# KiCad board rp2040-decoder.kicad_pcb (continued)
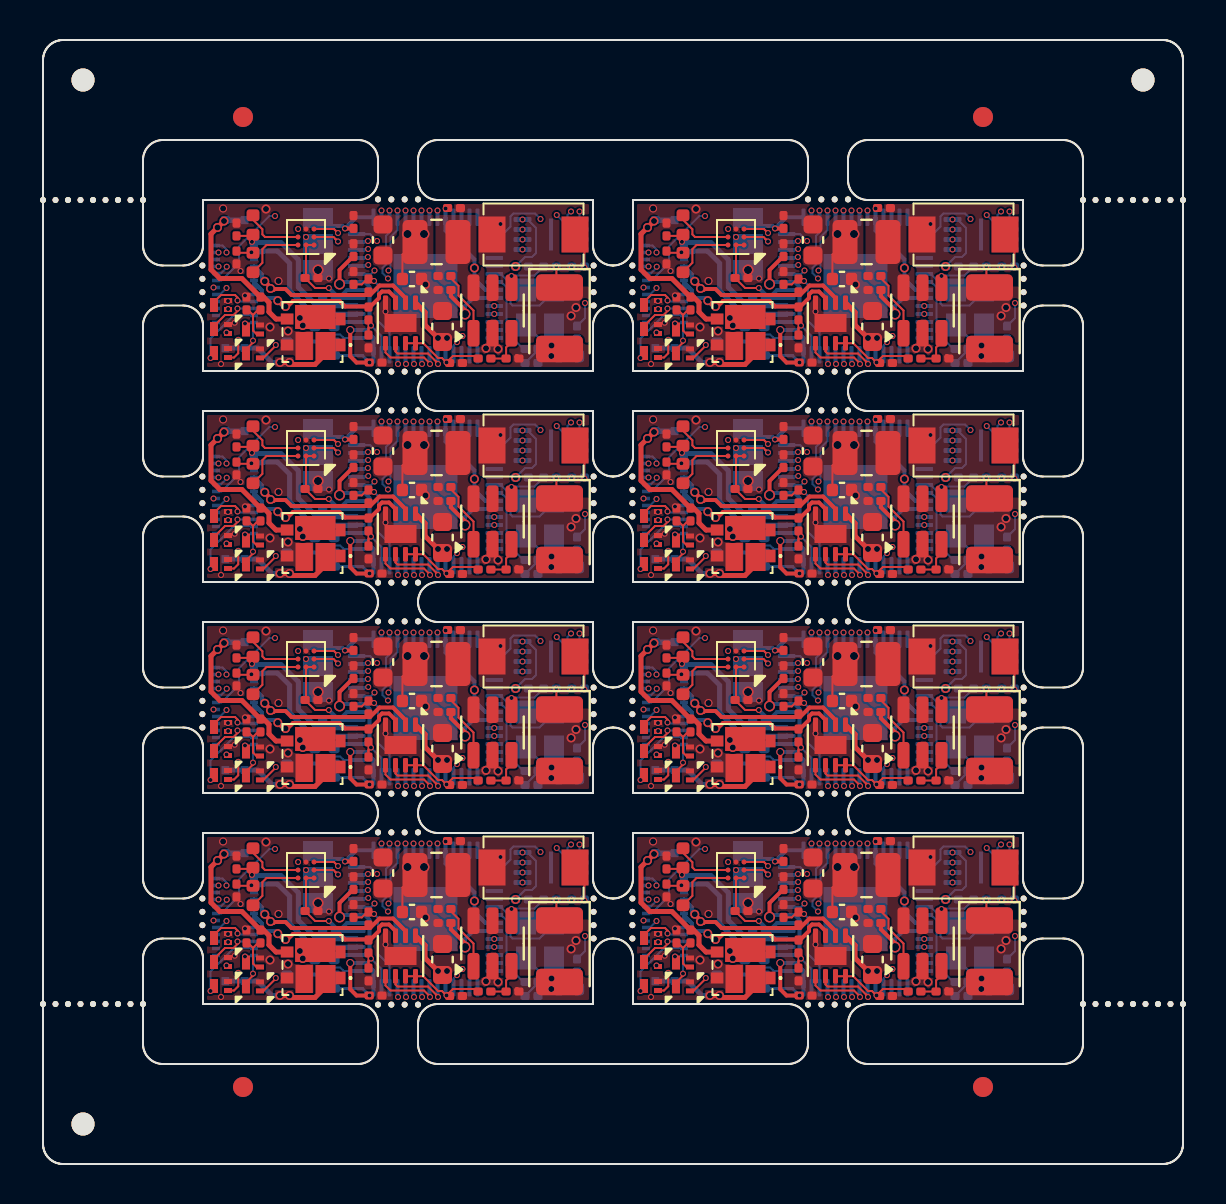
[diagram p0: board, top side]
## Placement (name value [footprint] x y rotation side) (continued)
R1#7  6.8k  [R_0201_0603Metric]  32.38 11.38 90 top
R1#8  6.8k  [R_0201_0603Metric]  10.88 32.48 90 top
R2  6.8k  [R_0201_0603Metric]  10.18 11.38 270 top
R2#2  6.8k  [R_0201_0603Metric]  10.18 32.48 270 top
R2#3  6.8k  [R_0201_0603Metric]  31.68 32.48 270 top
R2#4  6.8k  [R_0201_0603Metric]  31.68 11.38 270 top
R2#5  6.8k  [R_0201_0603Metric]  31.68 43.03 270 top
R2#6  6.8k  [R_0201_0603Metric]  10.18 21.93 270 top
R2#7  6.8k  [R_0201_0603Metric]  10.18 43.03 270 top
R2#8  6.8k  [R_0201_0603Metric]  31.68 21.93 270 top
R4  1k  [R_0201_0603Metric]  48.25 44.88 0 bottom
R4#2  1k  [R_0201_0603Metric]  48.25 34.33 0 bottom
R4#3  1k  [R_0201_0603Metric]  26.75 13.23 0 bottom
R4#4  1k  [R_0201_0603Metric]  26.75 23.78 0 bottom
R4#5  1k  [R_0201_0603Metric]  48.25 13.23 0 bottom
R4#6  1k  [R_0201_0603Metric]  48.25 23.78 0 bottom
R4#7  1k  [R_0201_0603Metric]  26.75 34.33 0 bottom
R4#8  1k  [R_0201_0603Metric]  26.75 44.88 0 bottom
R5  100k  [R_0201_0603Metric]  25.35 34.33 180 bottom
R5#2  100k  [R_0201_0603Metric]  46.85 13.23 180 bottom
R5#3  100k  [R_0201_0603Metric]  46.85 34.33 180 bottom
R5#4  100k  [R_0201_0603Metric]  46.85 44.88 180 bottom
R5#5  100k  [R_0201_0603Metric]  25.35 44.88 180 bottom
R5#6  100k  [R_0201_0603Metric]  25.35 13.23 180 bottom
R5#7  100k  [R_0201_0603Metric]  46.85 23.78 180 bottom
R5#8  100k  [R_0201_0603Metric]  25.35 23.78 180 bottom
R6  1k  [R_0201_0603Metric]  45.93 40.75 0 bottom
R6#2  1k  [R_0201_0603Metric]  24.43 30.2 0 bottom
R6#3  1k  [R_0201_0603Metric]  24.43 40.75 0 bottom
R6#4  1k  [R_0201_0603Metric]  45.93 30.2 0 bottom
R6#5  1k  [R_0201_0603Metric]  45.93 9.1 0 bottom
R6#6  1k  [R_0201_0603Metric]  24.43 9.1 0 bottom
R6#7  1k  [R_0201_0603Metric]  24.43 19.65 0 bottom
R6#8  1k  [R_0201_0603Metric]  45.93 19.65 0 bottom
R7  22k  [R_0201_0603Metric]  23.47 40.28 180 top
R7#2  22k  [R_0201_0603Metric]  44.97 19.18 180 top
R7#3  22k  [R_0201_0603Metric]  44.97 40.28 180 top
R7#4  22k  [R_0201_0603Metric]  23.47 8.62 180 top
R7#5  22k  [R_0201_0603Metric]  44.97 29.73 180 top
R7#6  22k  [R_0201_0603Metric]  23.47 19.18 180 top
R7#7  22k  [R_0201_0603Metric]  23.47 29.73 180 top
R7#8  22k  [R_0201_0603Metric]  44.97 8.62 180 top
R8  49.9k  [R_0201_0603Metric]  43.57 19.18 0 top
R8#2  49.9k  [R_0201_0603Metric]  22.07 40.28 0 top
R8#3  49.9k  [R_0201_0603Metric]  43.57 8.62 0 top
R8#4  49.9k  [R_0201_0603Metric]  43.57 29.73 0 top
R8#5  49.9k  [R_0201_0603Metric]  22.07 29.73 0 top
R8#6  49.9k  [R_0201_0603Metric]  43.57 40.28 0 top
R8#7  49.9k  [R_0201_0603Metric]  22.07 8.62 0 top
R8#8  49.9k  [R_0201_0603Metric]  22.07 19.18 0 top
R9  1k  [R_0201_0603Metric]  48.2 20.48 90 bottom
R9#2  1k  [R_0201_0603Metric]  48.2 41.58 90 bottom
R9#3  1k  [R_0201_0603Metric]  48.2 31.03 90 bottom
R9#4  1k  [R_0201_0603Metric]  26.7 41.58 90 bottom
R9#5  1k  [R_0201_0603Metric]  48.2 9.92 90 bottom
R9#6  1k  [R_0201_0603Metric]  26.7 20.48 90 bottom
R9#7  1k  [R_0201_0603Metric]  26.7 31.03 90 bottom
R9#8  1k  [R_0201_0603Metric]  26.7 9.92 90 bottom
R10  200R  [R_0201_0603Metric]  14.3 20.03 180 bottom
R10#2  200R  [R_0201_0603Metric]  35.8 30.58 180 bottom
R10#3  200R  [R_0201_0603Metric]  14.3 9.48 180 bottom
R10#4  200R  [R_0201_0603Metric]  35.8 41.12 180 bottom
R10#5  200R  [R_0201_0603Metric]  14.3 41.12 180 bottom
R10#6  200R  [R_0201_0603Metric]  35.8 9.48 180 bottom
R10#7  200R  [R_0201_0603Metric]  14.3 30.58 180 bottom
R10#8  200R  [R_0201_0603Metric]  35.8 20.03 180 bottom
R11  6.8k  [R_0201_0603Metric]  16.28 21.43 90 top
R11#2  6.8k  [R_0201_0603Metric]  37.78 42.53 90 top
R11#3  6.8k  [R_0201_0603Metric]  16.28 10.88 90 top
R11#4  6.8k  [R_0201_0603Metric]  37.78 10.88 90 top
R11#5  6.8k  [R_0201_0603Metric]  16.28 42.53 90 top
R11#6  6.8k  [R_0201_0603Metric]  37.78 21.43 90 top
R11#7  6.8k  [R_0201_0603Metric]  16.28 31.98 90 top
R11#8  6.8k  [R_0201_0603Metric]  37.78 31.98 90 top
R12  1k  [R_0201_0603Metric]  37.78 30.58 90 top
R12#2  1k  [R_0201_0603Metric]  16.28 9.48 90 top
R12#3  1k  [R_0201_0603Metric]  16.28 20.03 90 top
R12#4  1k  [R_0201_0603Metric]  16.28 41.12 90 top
R12#5  1k  [R_0201_0603Metric]  37.78 20.03 90 top
R12#6  1k  [R_0201_0603Metric]  16.28 30.58 90 top
R12#7  1k  [R_0201_0603Metric]  37.78 9.48 90 top
R12#8  1k  [R_0201_0603Metric]  37.78 41.12 90 top
R13  6.8k  [R_0201_0603Metric]  37.78 12.28 270 top
R13#2  6.8k  [R_0201_0603Metric]  16.28 43.93 270 top
R13#3  6.8k  [R_0201_0603Metric]  16.28 22.83 270 top
R13#4  6.8k  [R_0201_0603Metric]  16.28 33.38 270 top
R13#5  6.8k  [R_0201_0603Metric]  37.78 43.93 270 top
R13#6  6.8k  [R_0201_0603Metric]  16.28 12.28 270 top
R13#7  6.8k  [R_0201_0603Metric]  37.78 33.38 270 top
R13#8  6.8k  [R_0201_0603Metric]  37.78 22.83 270 top
R14  1k  [R_0201_0603Metric]  37.03 12.65 270 top
R14#2  1k  [R_0201_0603Metric]  37.03 23.2 270 top
R14#3  1k  [R_0201_0603Metric]  37.03 44.3 270 top
R14#4  1k  [R_0201_0603Metric]  15.53 33.75 270 top
R14#5  1k  [R_0201_0603Metric]  15.53 44.3 270 top
R14#6  1k  [R_0201_0603Metric]  15.53 12.65 270 top
R14#7  1k  [R_0201_0603Metric]  15.53 23.2 270 top
R14#8  1k  [R_0201_0603Metric]  37.03 33.75 270 top
SW1  BOOT  [Xunpu_TS-1088-AR02016]  24.53 46.48 0 top
SW1#2  BOOT  [Xunpu_TS-1088-AR02016]  24.53 14.83 0 top
SW1#3  BOOT  [Xunpu_TS-1088-AR02016]  24.53 25.38 0 top
SW1#4  BOOT  [Xunpu_TS-1088-AR02016]  46.03 14.83 0 top
SW1#5  BOOT  [Xunpu_TS-1088-AR02016]  46.03 46.48 0 top
SW1#6  BOOT  [Xunpu_TS-1088-AR02016]  24.53 35.93 0 top
SW1#7  BOOT  [Xunpu_TS-1088-AR02016]  46.03 35.93 0 top
SW1#8  BOOT  [Xunpu_TS-1088-AR02016]  46.03 25.38 0 top
U1  W25Q16JVUXIQ  [Winbond_USON-8-1EP_3x2mm_P0.5mm_EP0.2x1.6mm]  46.9 35.93 180 bottom
U1#2  W25Q16JVUXIQ  [Winbond_USON-8-1EP_3x2mm_P0.5mm_EP0.2x1.6mm]  25.4 25.38 180 bottom
U1#3  W25Q16JVUXIQ  [Winbond_USON-8-1EP_3x2mm_P0.5mm_EP0.2x1.6mm]  46.9 14.83 180 bottom
U1#4  W25Q16JVUXIQ  [Winbond_USON-8-1EP_3x2mm_P0.5mm_EP0.2x1.6mm]  46.9 46.48 180 bottom
U1#5  W25Q16JVUXIQ  [Winbond_USON-8-1EP_3x2mm_P0.5mm_EP0.2x1.6mm]  25.4 46.48 180 bottom
U1#6  W25Q16JVUXIQ  [Winbond_USON-8-1EP_3x2mm_P0.5mm_EP0.2x1.6mm]  25.4 35.93 180 bottom
U1#7  W25Q16JVUXIQ  [Winbond_USON-8-1EP_3x2mm_P0.5mm_EP0.2x1.6mm]  25.4 14.83 180 bottom
U1#8  W25Q16JVUXIQ  [Winbond_USON-8-1EP_3x2mm_P0.5mm_EP0.2x1.6mm]  46.9 25.38 180 bottom
U2  MT2492  [SOT-23-6]  22.47 42.68 90 top
U2#2  MT2492  [SOT-23-6]  43.97 32.12 90 top
U2#3  MT2492  [SOT-23-6]  22.47 11.03 90 top
U2#4  MT2492  [SOT-23-6]  43.97 21.58 90 top
U2#5  MT2492  [SOT-23-6]  43.97 42.68 90 top
U2#6  MT2492  [SOT-23-6]  22.47 21.58 90 top
U2#7  MT2492  [SOT-23-6]  22.47 32.12 90 top
U2#8  MT2492  [SOT-23-6]  43.97 11.03 90 top
U3  RP2040  [QFN-56-1EP_7x7mm_P0.4mm_EP3.2x3.2mm]  40.62 12.25 270 bottom
U3#2  RP2040  [QFN-56-1EP_7x7mm_P0.4mm_EP3.2x3.2mm]  40.62 43.9 270 bottom
U3#3  RP2040  [QFN-56-1EP_7x7mm_P0.4mm_EP3.2x3.2mm]  19.12 33.35 270 bottom
U3#4  RP2040  [QFN-56-1EP_7x7mm_P0.4mm_EP3.2x3.2mm]  19.12 43.9 270 bottom
U3#5  RP2040  [QFN-56-1EP_7x7mm_P0.4mm_EP3.2x3.2mm]  19.12 12.25 270 bottom
U3#6  RP2040  [QFN-56-1EP_7x7mm_P0.4mm_EP3.2x3.2mm]  40.62 22.8 270 bottom
U3#7  RP2040  [QFN-56-1EP_7x7mm_P0.4mm_EP3.2x3.2mm]  19.12 22.8 270 bottom
U3#8  RP2040  [QFN-56-1EP_7x7mm_P0.4mm_EP3.2x3.2mm]  40.62 33.35 270 bottom
U4  MD9927  [DFN-8-1EP_2x2mm_P0.5mm_EP0.9x1.6mm]  17.88 31.5 270 top
U4#2  MD9927  [DFN-8-1EP_2x2mm_P0.5mm_EP0.9x1.6mm]  17.88 20.95 270 top
U4#3  MD9927  [DFN-8-1EP_2x2mm_P0.5mm_EP0.9x1.6mm]  39.38 31.5 270 top
U4#4  MD9927  [DFN-8-1EP_2x2mm_P0.5mm_EP0.9x1.6mm]  39.38 42.05 270 top
U4#5  MD9927  [DFN-8-1EP_2x2mm_P0.5mm_EP0.9x1.6mm]  17.88 42.05 270 top
U4#6  MD9927  [DFN-8-1EP_2x2mm_P0.5mm_EP0.9x1.6mm]  17.88 10.4 270 top
U4#7  MD9927  [DFN-8-1EP_2x2mm_P0.5mm_EP0.9x1.6mm]  39.38 20.95 270 top
U4#8  MD9927  [DFN-8-1EP_2x2mm_P0.5mm_EP0.9x1.6mm]  39.38 10.4 270 top
U5  MAX98357A  [Maxim_WLP-9_1.595x1.415_Layout3x3_P0.4mm_Ball0.27mm_Pad0.25mm_NSMD]  13.15 14.7 180 top
U5#2  MAX98357A  [Maxim_WLP-9_1.595x1.415_Layout3x3_P0.4mm_Ball0.27mm_Pad0.25mm_NSMD]  13.15 46.35 180 top
U5#3  MAX98357A  [Maxim_WLP-9_1.595x1.415_Layout3x3_P0.4mm_Ball0.27mm_Pad0.25mm_NSMD]  34.65 14.7 180 top
U5#4  MAX98357A  [Maxim_WLP-9_1.595x1.415_Layout3x3_P0.4mm_Ball0.27mm_Pad0.25mm_NSMD]  34.65 46.35 180 top
U5#5  MAX98357A  [Maxim_WLP-9_1.595x1.415_Layout3x3_P0.4mm_Ball0.27mm_Pad0.25mm_NSMD]  34.65 35.8 180 top
U5#6  MAX98357A  [Maxim_WLP-9_1.595x1.415_Layout3x3_P0.4mm_Ball0.27mm_Pad0.25mm_NSMD]  13.15 25.25 180 top
U5#7  MAX98357A  [Maxim_WLP-9_1.595x1.415_Layout3x3_P0.4mm_Ball0.27mm_Pad0.25mm_NSMD]  34.65 25.25 180 top
U5#8  MAX98357A  [Maxim_WLP-9_1.595x1.415_Layout3x3_P0.4mm_Ball0.27mm_Pad0.25mm_NSMD]  13.15 35.8 180 top
Y1  X252012MMB4SI  [Crystal_SMD_2520-4Pin_2.5x2.0mm]  46.35 32.28 90 bottom
Y1#2  X252012MMB4SI  [Crystal_SMD_2520-4Pin_2.5x2.0mm]  46.35 42.83 90 bottom
Y1#3  X252012MMB4SI  [Crystal_SMD_2520-4Pin_2.5x2.0mm]  24.85 21.73 90 bottom
Y1#4  X252012MMB4SI  [Crystal_SMD_2520-4Pin_2.5x2.0mm]  24.85 32.28 90 bottom
Y1#5  X252012MMB4SI  [Crystal_SMD_2520-4Pin_2.5x2.0mm]  46.35 11.17 90 bottom
Y1#6  X252012MMB4SI  [Crystal_SMD_2520-4Pin_2.5x2.0mm]  24.85 11.17 90 bottom
Y1#7  X252012MMB4SI  [Crystal_SMD_2520-4Pin_2.5x2.0mm]  24.85 42.83 90 bottom
Y1#8  X252012MMB4SI  [Crystal_SMD_2520-4Pin_2.5x2.0mm]  46.35 21.73 90 bottom

## Library data of the parts
C1 C1#2-C1#8 C3 C3#2-C3#8 = -: Voltage: 25V; LCSC: C384956
C2 C2#2-C2#8 C11 C11#2-C11#8 C12 C12#2-C12#8 C13 C13#2-C13#8 C16 C16#2-C16#8 C17 C17#2-C17#8 C21 C21#2-C21#8 = -: Voltage: 6V3; LCSC: C49062
C4 C4#2-C4#8 = -: Voltage: 25V; LCSC: C2158664
C5 C5#2-C5#8 C7 C7#2-C7#8 = -: Voltage: 2V5; LCSC: C49062
C6 C6#2-C6#8 = -: Description: Unpolarized capacitor; LCSC: C76934
C8 C8#2-C8#8 = -: Voltage: 2V5; LCSC: C15525
C9 C9#2-C9#8 = -: LCSC: C45783
C10 C10#2-C10#8 C14 C14#2-C14#8 = -: Voltage: 6V3; LCSC: C15525
C18 C18#2-C18#8 = -: Voltage: 25V; LCSC: C96446
C19 C19#2-C19#8 = -: LCSC: C49062
C20 C20#2-C20#8 C22 C22#2-C22#8 = -: Description: Unpolarized capacitor; LCSC: C62548
D1 D1#2-D1#8 = -: Datasheet: https://www.onsemi.com/pdf/datasheet/nsr1030qmu-d.pdf; LCSC: C889734
D2 D2#2-D2#8 = -: Description: Light emitting diode; LCSC: C130724
FB1 FB1#2-FB1#8 FB2 FB2#2-FB2#8 = -: Description: Ferrite bead, small symbol; LCSC: C160973
J4 J4#2-J4#8 = -: Datasheet: https://www.molex.com/pdm_docs/sd/5050662422_sd.pdf; Description: SlimStack Board-to-Board Connector, 0.35mm Pitch, SSB RP Series, Receptacle, 0.60mm Mated Height, 2.00mm Mated Width,  Circuits, Armor Nail; Description_1: SlimStack Board-to-Board Connector, 0.35mm Pitch, SSB RP Series, Receptacle, 0.60mm Mated Height, 2.00mm Mated Width,  Circuits, Armor Nail; Height: 0.63; Manufacturer_Name: Molex; Manufacturer_Part_Number: 505066-2422; LCSC: C586118
JP1 JP1#2-JP1#8 = -: Description: Jumper, 3-pole, both open
L1 L1#2-L1#8 = -: Description: Inductor; LCSC: C5832376
Q1 Q1#2-Q1#8 Q2 Q2#2-Q2#8 Q3 Q3#2-Q3#8 Q5 Q5#2-Q5#8 Q6 Q6#2-Q6#8 = -: Datasheet: https://www.lcsc.com/datasheet/lcsc_datasheet_2105241942_TECH-PUBLIC-TPM2008EP3-A_C2827633.pdf; LCSC: C2827633
R1 R1#2-R1#8 R2 R2#2-R2#8 = -: Tolerance: 10%; LCSC: C423451
R4 R4#2-R4#8 R9 R9#2-R9#8 = -: Tolerance: 10%; LCSC: C270365
R5 R5#2-R5#8 = -: Description: Resistor; LCSC: C270364
R6 R6#2-R6#8 R12 R12#2-R12#8 R14 R14#2-R14#8 = -: Tolerance: 1%; LCSC: C270365
R7 R7#2-R7#8 = -: Description: Resistor; LCSC: C473469
R8 R8#2-R8#8 = -: Description: Resistor; LCSC: C310169
R10 R10#2-R10#8 = -: Tolerance: 1%; LCSC: C270359
R11 R11#2-R11#8 R13 R13#2-R13#8 = -: Tolerance: 1%; LCSC: C423451
SW1 SW1#2-SW1#8 = -: Description: Push button switch, generic, two pins; LCSC: C720477
U1 U1#2-U1#8 = -: Datasheet: https://www.winbond.com/resource-files/W25Q16JV%20SPI%20RevH%2004082019%20Plus.pdf; LCSC: C2843335
U2 U2#2-U2#8 = -: Datasheet: https://www.lcsc.com/datasheet/lcsc_datasheet_2408140941_XI-AN-Aerosemi-Tech-MT2492_C89358.pdf; Description: 2A, Synchronous Step Down Converter, Adjustable Output Voltage, 4.5-16V Input Voltage, SOT-23-6; LCSC: C89358
U3 U3#2-U3#8 = -: Datasheet: https://datasheets.raspberrypi.com/rp2040/rp2040-datasheet.pdf; Description: A microcontroller by Raspberry Pi; LCSC: C2040
U4 U4#2-U4#8 = -: LCSC: C2684662
U5 U5#2-U5#8 = -: Datasheet: https://www.analog.com/media/en/technical-documentation/data-sheets/MAX98357A-MAX98357B.pdf; Description: Mono DAC with amplifier, I2S, PCM, TDM, 32-bit, 96khz, 3.2W, WLP-9; LCSC: C2682619
Y1 Y1#2-Y1#8 = -: Datasheet: https://wmsc.lcsc.com/wmsc/upload/file/pdf/v2/lcsc/2403291506_YXC-Crystal-Oscillators-X252012MMB4SI-24_C2896601.pdf; Frequency: 12MHz; LCSC: C2896601

## Footprints (pads in the part's own frame, mm; a bottom-side part is the same pattern mirrored in y, then rotated)
5050662422
  rect 0.18x0.4 smd: 1(-1.925,-0.95) 2(-1.575,-0.95) 3(-1.225,-0.95) 4(-0.875,-0.95) 5(-0.525,-0.95) 6(-0.175,-0.95) 7(0.175,-0.95) 8(0.525,-0.95) 9(0.875,-0.95) 10(1.225,-0.95) 11(1.575,-0.95) 12(1.925,-0.95) 13(1.925,0.95) 14(1.575,0.95) 15(1.225,0.95) 16(0.875,0.95) 17(0.525,0.95) 18(0.175,0.95) 19(-0.175,0.95) 20(-0.525,0.95) 21(-0.875,0.95) 22(-1.225,0.95) 23(-1.575,0.95) 24(-1.925,0.95)
  rect 0.4x0.385 smd: X1A(-3.195,-0.482) X1B(-3.205,0.482) X2A(3.205,-0.482) X2B(3.205,0.482)
C_0201_0603Metric
  rrect 0.318x0.36 smd: (-0.345,0) (0.345,0)
  rrect 0.46x0.4 smd: 1(-0.32,0) 2(0.32,0)
C_0402_1005Metric
  rrect 0.56x0.62 smd: 1(-0.48,0) 2(0.48,0)
C_0603_1608Metric
  rrect 0.9x0.95 smd: 1(-0.775,0) 2(0.775,0)
CP_EIA-3528-21_Kemet-B
  rrect 1.325x2.35 smd: 1(-1.538,0) 2(1.538,0)
Crystal_SMD_2520-4Pin_2.5x2.0mm
  rect 1.15x1 smd: 1(-0.875,-0.7) 2(0.875,-0.7) 3(0.875,0.7) 4(-0.875,0.7)
DFN-8-1EP_2x2mm_P0.5mm_EP0.9x1.6mm
  rrect 0.73x1.29 smd: (0,0)
  rrect 0.725x0.25 smd: 1(-1.012,0.75) 2(-1.012,0.25) 3(-1.012,-0.25) 4(-1.012,-0.75) 5(1.012,-0.75) 6(1.012,-0.25) 7(1.012,0.25) 8(1.012,0.75)
  rect 0.9x1.6 smd: 9(0,0)
Diodes_DFN1006-3
  rect 0.4x0.25 smd: 1(-0.35,0.225) 2(-0.35,-0.225)
  rect 0.4x0.7 smd: 3(0.35,0)
Fiducial
  round 1 smd: (0,0)
L_0402_1005Metric
  rrect 0.59x0.64 smd: 1(-0.485,0) 2(0.485,0)
L_1008_2520Metric
  rrect 1.25x2.2 smd: 1(-1.075,0) 2(1.075,0)
LED_0402_1005Metric
  rrect 0.59x0.64 smd: 1(-0.485,0) 2(0.485,0)
Maxim_WLP-9_1.595x1.415_Layout3x3_P0.4mm_Ball0.27mm_Pad0.25mm_NSMD
  round 0.25 smd: A1(-0.4,0.4) A2(0,0.4) A3(0.4,0.4) B1(-0.4,0) B2(0,0) B3(0.4,0) C1(-0.4,-0.4) C2(0,-0.4) C3(0.4,-0.4)
NPTH
  round 0.3 hole 0.3 unplated: (0,0)
NPTH#2
  round 1.152 hole 1.152 unplated: (0,0)
NSR1030QMU
  rect 1.4x1 smd: 1(-0.7,-0.65)
  rect 0.63x0.5 smd: 1(-0.65,-1.4) 2(0.65,-1.4)
  rect 1.2x2.02 smd: 2(0.75,-0.14)
  rect 0.55x0.63 smd: 3(0.65,1.27) 4(-0.65,1.27)
  rect 1.4x0.87 smd: 4(-0.7,0.415)
QFN-56-1EP_7x7mm_P0.4mm_EP3.2x3.2mm
  rrect 1.29x1.29 smd: (-0.8,-0.8) (-0.8,0.8) (0.8,-0.8) (0.8,0.8)
  rrect 0.875x0.2 smd: 1(-3.438,2.6) 2(-3.438,2.2) 3(-3.438,1.8) 4(-3.438,1.4) 5(-3.438,1) 6(-3.438,0.6) 7(-3.438,0.2) 8(-3.438,-0.2) 9(-3.438,-0.6) 10(-3.438,-1) 11(-3.438,-1.4) 12(-3.438,-1.8) 13(-3.438,-2.2) 14(-3.438,-2.6) 29(3.438,-2.6) 30(3.438,-2.2) 31(3.438,-1.8) 32(3.438,-1.4) 33(3.438,-1) 34(3.438,-0.6) 35(3.438,-0.2) 36(3.438,0.2) 37(3.438,0.6) 38(3.438,1) 39(3.438,1.4) 40(3.438,1.8) 41(3.438,2.2) 42(3.438,2.6)
  rrect 0.2x0.875 smd: 15(-2.6,-3.438) 16(-2.2,-3.438) 17(-1.8,-3.438) 18(-1.4,-3.438) 19(-1,-3.438) 20(-0.6,-3.438) 21(-0.2,-3.438) 22(0.2,-3.438) 23(0.6,-3.438) 24(1,-3.438) 25(1.4,-3.438) 26(1.8,-3.438) 27(2.2,-3.438) 28(2.6,-3.438) 43(2.6,3.438) 44(2.2,3.438) 45(1.8,3.438) 46(1.4,3.438) 47(1,3.438) 48(0.6,3.438) 49(0.2,3.438) 50(-0.2,3.438) 51(-0.6,3.438) 52(-1,3.438) 53(-1.4,3.438) 54(-1.8,3.438) 55(-2.2,3.438) 56(-2.6,3.438)
  rect 3.2x3.2 smd: 57(0,0)
R_0201_0603Metric
  rrect 0.318x0.36 smd: (-0.345,0) (0.345,0)
  rrect 0.46x0.4 smd: 1(-0.32,0) 2(0.32,0)
SolderJumper-3_P1.3mm_Open_Pad1.0x1.5mm
  rect 1x1.5 smd: 1(-1.3,0) 2(0,0) 3(1.3,0)
SOT-23-6
  rrect 1.325x0.6 smd: 1(-1.137,0.95) 2(-1.137,0) 3(-1.137,-0.95) 4(1.137,-0.95) 5(1.137,0) 6(1.137,0.95)
Winbond_USON-8-1EP_3x2mm_P0.5mm_EP0.2x1.6mm
  rrect 0.16x1.29 smd: (0,0)
  rrect 0.9x0.25 smd: 1(-1.425,0.75) 2(-1.425,0.25) 3(-1.425,-0.25) 4(-1.425,-0.75) 5(1.425,-0.75) 6(1.425,-0.25) 7(1.425,0.25) 8(1.425,0.75)
  rect 0.2x1.6 smd: 9(0,0)
Xunpu_TS-1088-AR02016
  rect 1.35x1.8 smd: 1(-2.075,0) 2(2.075,0)

## Nets
Board_0-+1V1: C5#4.1 C7#8.1 C8.1 U3#4.23 U3#4.45 U3#4.50
Board_0-+3.3V: C2#6.1 C9#8.1 C10#4.1 C11#8.1 C12#5.1 C13#7.1 C16#7.1 C17#8.1 C19#5.1 C21#2.1 J4#6.18 JP1#7.3 L1#7.2 R8#2.1 R10#5.1 U1#5.8 U3#4.1 U3#4.10 U3#4.22 U3#4.33 U3#4.42 U3#4.44 U3#4.48 U3#4.49 U4#5.7 U4#5.8 U5#2.A1 U5#2.A2
Board_0-/ADC_EMF_A: R11#5.1 R12#4.2 U3#4.41
Board_0-/ADC_EMF_B: R13#2.1 R14#5.2 U3#4.40
Board_0-/AUX1 (VDC): J4#6.11 Q2#5.3
Board_0-/AUX2 (VDC): J4#6.12 Q5#4.3
Board_0-/AUX3: J4#6.21 U3#4.5
Board_0-/AUX4: J4#6.20 U3#4.6
Board_0-/AUX5 (VDC): J4#6.16
Board_0-/AUX6 (VDC): J4#6.15
Board_0-/AUX7 (VDC): J4#6.14
Board_0-/AUX8 (VDC): J4#6.13
Board_0-/AUX10: J4#6.19 U3#4.2
Board_0-/AUX11: J4#6.23 U3#4.3 U3#4.25
Board_0-/AUX12: J4#6.24 U3#4.4 U3#4.24
Board_0-/CAP+: J4#6.8
Board_0-/GPIO21: Q1#5.3 U3#4.32
Board_0-/GPIO22: U3#4.34 U4#5.6
Board_0-/GPIO23: U3#4.35 U4#5.5
Board_0-/GPIO24: Q2#5.1 U3#4.36
Board_0-/GPIO25: Q5#4.1 U3#4.37
Board_0-/GPIO26: Q3#5.1 U3#4.38
Board_0-/GPIO27: Q6#5.1 U3#4.39
Board_0-/I2S_BCLK: U3#4.8 U5#2.C1
Board_0-/I2S_DIN: U3#4.9 U5#2.B1
Board_0-/I2S_LRCLK: U3#4.7 U5#2.C3
Board_0-/LAMP_FRONT: J4#6.9 Q3#5.3
Board_0-/LAMP_REAR: J4#6.10 Q6#5.3
Board_0-/MOTOR_A: J4#6.6 J4#6.7 R11#5.2 U4#5.3
Board_0-/MOTOR_B: J4#6.4 J4#6.5 R13#2.2 U4#5.2
Board_0-/SPEAKER_N: C20#5.1 FB2#8.1 J4#6.1 U3#4.47
Board_0-/SPEAKER_P: C22.1 FB1#2.1 J4#6.2 U3#4.46
Board_0-/SWITCH: C6#8.2 L1#7.1 U2.6
Board_0-/TRACK_LEFT: D1#7.3 J4#6.X1A J4#6.X1B R1#5.2
Board_0-/TRACK_RIGHT: D1#7.1 J4#6.X2A J4#6.X2B
Board_0-GND: C1#8.2 C2#6.2 C3.2 C4#5.2 C5#4.2 C7#8.2 C8.2 C9#8.2 C10#4.2 C11#8.2 C12#5.2 C13#7.2 C14#5.2 C16#7.2 C17#8.2 C18#4.2 C19#5.2 C20#5.2 C21#2.2 C22.2 D1#7.4 D2#5.1 J4#6.3 J4#6.22 JP1#7.1 Q1#5.2 Q2#5.2 Q3#5.2 Q5#4.2 Q6#5.2 R2#7.1 R7.1 R12#4.1 R14#5.1 SW1.1 U1#5.4 U1#5.9 U2.2 U3#4.19 U3#4.57 U4#5.4 U4#5.9 U5#2.C2 Y1#7.2 Y1#7.4
Board_0-Net-(C3-Pad1): C3.1 R6#3.2 Y1#7.1
Board_0-Net-(D2-A): D2#5.2 R9#4.1
Board_0-Net-(JP1-C): JP1#7.2 U5#2.B2
Board_0-Net-(Q1-G): Q1#5.1 R1#5.1 R2#7.2
Board_0-Net-(R4-Pad2): R4#8.2 SW1.2
Board_0-Net-(U1-CLK): U1#5.6 U3#4.52
Board_0-Net-(U1-DI(IO0)): U1#5.5 U3#4.53
Board_0-Net-(U1-DO(IO1)): U1#5.2 U3#4.55
Board_0-Net-(U1-IO2): U1#5.3 U3#4.54
Board_0-Net-(U1-IO3): U1#5.7 U3#4.51
Board_0-Net-(U1-~{CS}): R4#8.1 U1#5.1 U3#4.56
Board_0-Net-(U2-BS): C6#8.1 U2.1
Board_0-Net-(U2-EN): R5#5.2 U2.4
Board_0-Net-(U2-FB): R7.2 R8#2.2 U2.3
Board_0-Net-(U3-ADC_AVDD): C14#5.1 R10#5.2 U3#4.43
Board_0-Net-(U3-GPIO12): R9#4.2 U3#4.15
Board_0-Net-(U3-XIN): C1#8.1 U3#4.20 Y1#7.3
Board_0-Net-(U3-XOUT): R6#3.1 U3#4.21
Board_0-Net-(U5-OUTN): FB2#8.2 U5#2.B3
Board_0-Net-(U5-OUTP): FB1#2.2 U5#2.A3
Board_0-unconnected-(U3-GPIO8-Pad11): U3#4.11
Board_0-unconnected-(U3-GPIO9-Pad12): U3#4.12
Board_0-unconnected-(U3-GPIO10-Pad13): U3#4.13
Board_0-unconnected-(U3-GPIO11-Pad14): U3#4.14
Board_0-unconnected-(U3-GPIO13-Pad16): U3#4.16
Board_0-unconnected-(U3-GPIO14-Pad17): U3#4.17
Board_0-unconnected-(U3-GPIO15-Pad18): U3#4.18
Board_0-unconnected-(U3-GPIO16-Pad27): U3#4.27
Board_0-unconnected-(U3-GPIO17-Pad28): U3#4.28
Board_0-unconnected-(U3-GPIO18-Pad29): U3#4.29
Board_0-unconnected-(U3-GPIO19-Pad30): U3#4.30
Board_0-unconnected-(U3-GPIO20-Pad31): U3#4.31
Board_0-unconnected-(U3-RUN-Pad26): U3#4.26
Board_0-VDC: C4#5.1 C18#4.1 D1#7.2 J4#6.17 R5#5.1 U2.5 U4#5.1
Board_1-+1V1: C5#7.1 C7#3.1 C8#7.1 U3#2.23 U3#2.45 U3#2.50
Board_1-+3.3V: C2.1 C9#2.1 C10#2.1 C11#7.1 C12#3.1 C13#6.1 C16#5.1 C17.1 C19#6.1 C21#6.1 J4#5.18 JP1.3 L1#2.2 R8#6.1 R10#4.1 U1#4.8 U3#2.1 U3#2.10 U3#2.22 U3#2.33 U3#2.42 U3#2.44 U3#2.48 U3#2.49 U4#4.7 U4#4.8 U5#4.A1 U5#4.A2
Board_1-/ADC_EMF_A: R11#2.1 R12#8.2 U3#2.41
Board_1-/ADC_EMF_B: R13#5.1 R14#3.2 U3#2.40
Board_1-/AUX1 (VDC): J4#5.11 Q2#2.3
Board_1-/AUX2 (VDC): J4#5.12 Q5#7.3
Board_1-/AUX3: J4#5.21 U3#2.5
Board_1-/AUX4: J4#5.20 U3#2.6
Board_1-/AUX5 (VDC): J4#5.16
Board_1-/AUX6 (VDC): J4#5.15
Board_1-/AUX7 (VDC): J4#5.14
Board_1-/AUX8 (VDC): J4#5.13
Board_1-/AUX10: J4#5.19 U3#2.2
Board_1-/AUX11: J4#5.23 U3#2.3 U3#2.25
Board_1-/AUX12: J4#5.24 U3#2.4 U3#2.24
Board_1-/CAP+: J4#5.8
Board_1-/GPIO21: Q1.3 U3#2.32
Board_1-/GPIO22: U3#2.34 U4#4.6
Board_1-/GPIO23: U3#2.35 U4#4.5
Board_1-/GPIO24: Q2#2.1 U3#2.36
Board_1-/GPIO25: Q5#7.1 U3#2.37
Board_1-/GPIO26: Q3.1 U3#2.38
Board_1-/GPIO27: Q6#3.1 U3#2.39
Board_1-/I2S_BCLK: U3#2.8 U5#4.C1
Board_1-/I2S_DIN: U3#2.9 U5#4.B1
Board_1-/I2S_LRCLK: U3#2.7 U5#4.C3
Board_1-/LAMP_FRONT: J4#5.9 Q3.3
Board_1-/LAMP_REAR: J4#5.10 Q6#3.3
Board_1-/MOTOR_A: J4#5.6 J4#5.7 R11#2.2 U4#4.3
Board_1-/MOTOR_B: J4#5.4 J4#5.5 R13#5.2 U4#4.2
Board_1-/SPEAKER_N: C20#3.1 FB2#4.1 J4#5.1 U3#2.47
Board_1-/SPEAKER_P: C22#5.1 FB1#4.1 J4#5.2 U3#2.46
Board_1-/SWITCH: C6#5.2 L1#2.1 U2#5.6
Board_1-/TRACK_LEFT: D1#3.3 J4#5.X1A J4#5.X1B R1.2
Board_1-/TRACK_RIGHT: D1#3.1 J4#5.X2A J4#5.X2B
Board_1-GND: C1#2.2 C2.2 C3#5.2 C4#8.2 C5#7.2 C7#3.2 C8#7.2 C9#2.2 C10#2.2 C11#7.2 C12#3.2 C13#6.2 C14#2.2 C16#5.2 C17.2 C18#8.2 C19#6.2 C20#3.2 C21#6.2 C22#5.2 D1#3.4 D2#2.1 J4#5.3 J4#5.22 JP1.1 Q1.2 Q2#2.2 Q3.2 Q5#7.2 Q6#3.2 R2#5.1 R7#3.1 R12#8.1 R14#3.1 SW1#5.1 U1#4.4 U1#4.9 U2#5.2 U3#2.19 U3#2.57 U4#4.4 U4#4.9 U5#4.C2 Y1#2.2 Y1#2.4
Board_1-Net-(C3-Pad1): C3#5.1 R6.2 Y1#2.1
Board_1-Net-(D2-A): D2#2.2 R9#2.1
Board_1-Net-(JP1-C): JP1.2 U5#4.B2
Board_1-Net-(Q1-G): Q1.1 R1.1 R2#5.2
Board_1-Net-(R4-Pad2): R4.2 SW1#5.2
Board_1-Net-(U1-CLK): U1#4.6 U3#2.52
Board_1-Net-(U1-DI(IO0)): U1#4.5 U3#2.53
Board_1-Net-(U1-DO(IO1)): U1#4.2 U3#2.55
Board_1-Net-(U1-IO2): U1#4.3 U3#2.54
Board_1-Net-(U1-IO3): U1#4.7 U3#2.51
Board_1-Net-(U1-~{CS}): R4.1 U1#4.1 U3#2.56
Board_1-Net-(U2-BS): C6#5.1 U2#5.1
Board_1-Net-(U2-EN): R5#4.2 U2#5.4
Board_1-Net-(U2-FB): R7#3.2 R8#6.2 U2#5.3
Board_1-Net-(U3-ADC_AVDD): C14#2.1 R10#4.2 U3#2.43
Board_1-Net-(U3-GPIO12): R9#2.2 U3#2.15
Board_1-Net-(U3-XIN): C1#2.1 U3#2.20 Y1#2.3
Board_1-Net-(U3-XOUT): R6.1 U3#2.21
Board_1-Net-(U5-OUTN): FB2#4.2 U5#4.B3
Board_1-Net-(U5-OUTP): FB1#4.2 U5#4.A3
Board_1-unconnected-(U3-GPIO8-Pad11): U3#2.11
Board_1-unconnected-(U3-GPIO9-Pad12): U3#2.12
Board_1-unconnected-(U3-GPIO10-Pad13): U3#2.13
Board_1-unconnected-(U3-GPIO11-Pad14): U3#2.14
Board_1-unconnected-(U3-GPIO13-Pad16): U3#2.16
Board_1-unconnected-(U3-GPIO14-Pad17): U3#2.17
Board_1-unconnected-(U3-GPIO15-Pad18): U3#2.18
Board_1-unconnected-(U3-GPIO16-Pad27): U3#2.27
Board_1-unconnected-(U3-GPIO17-Pad28): U3#2.28
Board_1-unconnected-(U3-GPIO18-Pad29): U3#2.29
Board_1-unconnected-(U3-GPIO19-Pad30): U3#2.30
Board_1-unconnected-(U3-GPIO20-Pad31): U3#2.31
Board_1-unconnected-(U3-RUN-Pad26): U3#2.26
Board_1-VDC: C4#8.1 C18#8.1 D1#3.2 J4#5.17 R5#4.1 U2#5.5 U4#4.1
Board_2-+1V1: C5#3.1 C7#6.1 C8#8.1 U3#3.23 U3#3.45 U3#3.50
Board_2-+3.3V: C2#2.1 C9#3.1 C10#6.1 C11#6.1 C12#8.1 C13#4.1 C16#2.1 C17#7.1 C19#8.1 C21#5.1 J4#7.18 JP1#4.3 L1.2 R8#5.1 R10#7.1 U1#6.8 U3#3.1 U3#3.10 U3#3.22 U3#3.33 U3#3.42 U3#3.44 U3#3.48 U3#3.49 U4.7 U4.8 U5#8.A1 U5#8.A2
Board_2-/ADC_EMF_A: R11#7.1 R12#6.2 U3#3.41
Board_2-/ADC_EMF_B: R13#4.1 R14#4.2 U3#3.40
Board_2-/AUX1 (VDC): J4#7.11 Q2#7.3
Board_2-/AUX2 (VDC): J4#7.12 Q5#5.3
Board_2-/AUX3: J4#7.21 U3#3.5
Board_2-/AUX4: J4#7.20 U3#3.6
Board_2-/AUX5 (VDC): J4#7.16
Board_2-/AUX6 (VDC): J4#7.15
Board_2-/AUX7 (VDC): J4#7.14
Board_2-/AUX8 (VDC): J4#7.13
Board_2-/AUX10: J4#7.19 U3#3.2
Board_2-/AUX11: J4#7.23 U3#3.3 U3#3.25
Board_2-/AUX12: J4#7.24 U3#3.4 U3#3.24
Board_2-/CAP+: J4#7.8
Board_2-/GPIO21: Q1#8.3 U3#3.32
Board_2-/GPIO22: U3#3.34 U4.6
Board_2-/GPIO23: U3#3.35 U4.5
Board_2-/GPIO24: Q2#7.1 U3#3.36
Board_2-/GPIO25: Q5#5.1 U3#3.37
Board_2-/GPIO26: Q3#8.1 U3#3.38
Board_2-/GPIO27: Q6#8.1 U3#3.39
Board_2-/I2S_BCLK: U3#3.8 U5#8.C1
Board_2-/I2S_DIN: U3#3.9 U5#8.B1
Board_2-/I2S_LRCLK: U3#3.7 U5#8.C3
Board_2-/LAMP_FRONT: J4#7.9 Q3#8.3
Board_2-/LAMP_REAR: J4#7.10 Q6#8.3
Board_2-/MOTOR_A: J4#7.6 J4#7.7 R11#7.2 U4.3
Board_2-/MOTOR_B: J4#7.4 J4#7.5 R13#4.2 U4.2
Board_2-/SPEAKER_N: C20.1 FB2#6.1 J4#7.1 U3#3.47
Board_2-/SPEAKER_P: C22#3.1 FB1#3.1 J4#7.2 U3#3.46
Board_2-/SWITCH: C6#7.2 L1.1 U2#7.6
Board_2-/TRACK_LEFT: D1#5.3 J4#7.X1A J4#7.X1B R1#8.2
Board_2-/TRACK_RIGHT: D1#5.1 J4#7.X2A J4#7.X2B
Board_2-GND: C1#7.2 C2#2.2 C3#2.2 C4.2 C5#3.2 C7#6.2 C8#8.2 C9#3.2 C10#6.2 C11#6.2 C12#8.2 C13#4.2 C14.2 C16#2.2 C17#7.2 C18#2.2 C19#8.2 C20.2 C21#5.2 C22#3.2 D1#5.4 D2.1 J4#7.3 J4#7.22 JP1#4.1 Q1#8.2 Q2#7.2 Q3#8.2 Q5#5.2 Q6#8.2 R2#2.1 R7#7.1 R12#6.1 R14#4.1 SW1#6.1 U1#6.4 U1#6.9 U2#7.2 U3#3.19 U3#3.57 U4.4 U4.9 U5#8.C2 Y1#4.2 Y1#4.4
Board_2-Net-(C3-Pad1): C3#2.1 R6#2.2 Y1#4.1
Board_2-Net-(D2-A): D2.2 R9#7.1
Board_2-Net-(JP1-C): JP1#4.2 U5#8.B2
Board_2-Net-(Q1-G): Q1#8.1 R1#8.1 R2#2.2
Board_2-Net-(R4-Pad2): R4#7.2 SW1#6.2
Board_2-Net-(U1-CLK): U1#6.6 U3#3.52
Board_2-Net-(U1-DI(IO0)): U1#6.5 U3#3.53
Board_2-Net-(U1-DO(IO1)): U1#6.2 U3#3.55
Board_2-Net-(U1-IO2): U1#6.3 U3#3.54
Board_2-Net-(U1-IO3): U1#6.7 U3#3.51
Board_2-Net-(U1-~{CS}): R4#7.1 U1#6.1 U3#3.56
Board_2-Net-(U2-BS): C6#7.1 U2#7.1
Board_2-Net-(U2-EN): R5.2 U2#7.4
Board_2-Net-(U2-FB): R7#7.2 R8#5.2 U2#7.3
Board_2-Net-(U3-ADC_AVDD): C14.1 R10#7.2 U3#3.43
Board_2-Net-(U3-GPIO12): R9#7.2 U3#3.15
Board_2-Net-(U3-XIN): C1#7.1 U3#3.20 Y1#4.3
Board_2-Net-(U3-XOUT): R6#2.1 U3#3.21
Board_2-Net-(U5-OUTN): FB2#6.2 U5#8.B3
Board_2-Net-(U5-OUTP): FB1#3.2 U5#8.A3
Board_2-unconnected-(U3-GPIO8-Pad11): U3#3.11
Board_2-unconnected-(U3-GPIO9-Pad12): U3#3.12
Board_2-unconnected-(U3-GPIO10-Pad13): U3#3.13
Board_2-unconnected-(U3-GPIO11-Pad14): U3#3.14
Board_2-unconnected-(U3-GPIO13-Pad16): U3#3.16
Board_2-unconnected-(U3-GPIO14-Pad17): U3#3.17
Board_2-unconnected-(U3-GPIO15-Pad18): U3#3.18
Board_2-unconnected-(U3-GPIO16-Pad27): U3#3.27
Board_2-unconnected-(U3-GPIO17-Pad28): U3#3.28
Board_2-unconnected-(U3-GPIO18-Pad29): U3#3.29
Board_2-unconnected-(U3-GPIO19-Pad30): U3#3.30
Board_2-unconnected-(U3-GPIO20-Pad31): U3#3.31
Board_2-unconnected-(U3-RUN-Pad26): U3#3.26
Board_2-VDC: C4.1 C18#2.1 D1#5.2 J4#7.17 R5.1 U2#7.5 U4.1
Board_3-+1V1: C5.1 C7#5.1 C8#4.1 U3#8.23 U3#8.45 U3#8.50
Board_3-+3.3V: C2#5.1 C9#7.1 C10#5.1 C11#5.1 C12#6.1 C13#2.1 C16#8.1 C17#4.1 C19#4.1 C21.1 J4#3.18 JP1#3.3 L1#4.2 R8#4.1 R10#2.1 U1.8 U3#8.1 U3#8.10 U3#8.22 U3#8.33 U3#8.42 U3#8.44 U3#8.48 U3#8.49 U4#3.7 U4#3.8 U5#5.A1 U5#5.A2
Board_3-/ADC_EMF_A: R11#8.1 R12.2 U3#8.41
Board_3-/ADC_EMF_B: R13#7.1 R14#8.2 U3#8.40
Board_3-/AUX1 (VDC): J4#3.11 Q2#4.3
Board_3-/AUX2 (VDC): J4#3.12 Q5#6.3
Board_3-/AUX3: J4#3.21 U3#8.5
Board_3-/AUX4: J4#3.20 U3#8.6
Board_3-/AUX5 (VDC): J4#3.16
Board_3-/AUX6 (VDC): J4#3.15
Board_3-/AUX7 (VDC): J4#3.14
Board_3-/AUX8 (VDC): J4#3.13
Board_3-/AUX10: J4#3.19 U3#8.2
Board_3-/AUX11: J4#3.23 U3#8.3 U3#8.25
Board_3-/AUX12: J4#3.24 U3#8.4 U3#8.24
Board_3-/CAP+: J4#3.8
Board_3-/GPIO21: Q1#3.3 U3#8.32
Board_3-/GPIO22: U3#8.34 U4#3.6
Board_3-/GPIO23: U3#8.35 U4#3.5
Board_3-/GPIO24: Q2#4.1 U3#8.36
Board_3-/GPIO25: Q5#6.1 U3#8.37
Board_3-/GPIO26: Q3#6.1 U3#8.38
Board_3-/GPIO27: Q6#6.1 U3#8.39
Board_3-/I2S_BCLK: U3#8.8 U5#5.C1
Board_3-/I2S_DIN: U3#8.9 U5#5.B1
Board_3-/I2S_LRCLK: U3#8.7 U5#5.C3
Board_3-/LAMP_FRONT: J4#3.9 Q3#6.3
Board_3-/LAMP_REAR: J4#3.10 Q6#6.3
Board_3-/MOTOR_A: J4#3.6 J4#3.7 R11#8.2 U4#3.3
Board_3-/MOTOR_B: J4#3.4 J4#3.5 R13#7.2 U4#3.2
Board_3-/SPEAKER_N: C20#7.1 FB2#3.1 J4#3.1 U3#8.47
Board_3-/SPEAKER_P: C22#8.1 FB1.1 J4#3.2 U3#8.46
Board_3-/SWITCH: C6#3.2 L1#4.1 U2#2.6
Board_3-/TRACK_LEFT: D1#4.3 J4#3.X1A J4#3.X1B R1#2.2
Board_3-/TRACK_RIGHT: D1#4.1 J4#3.X2A J4#3.X2B
